# KiCad board Soldered Inkplate PLUS2.kicad_pcb (continued)
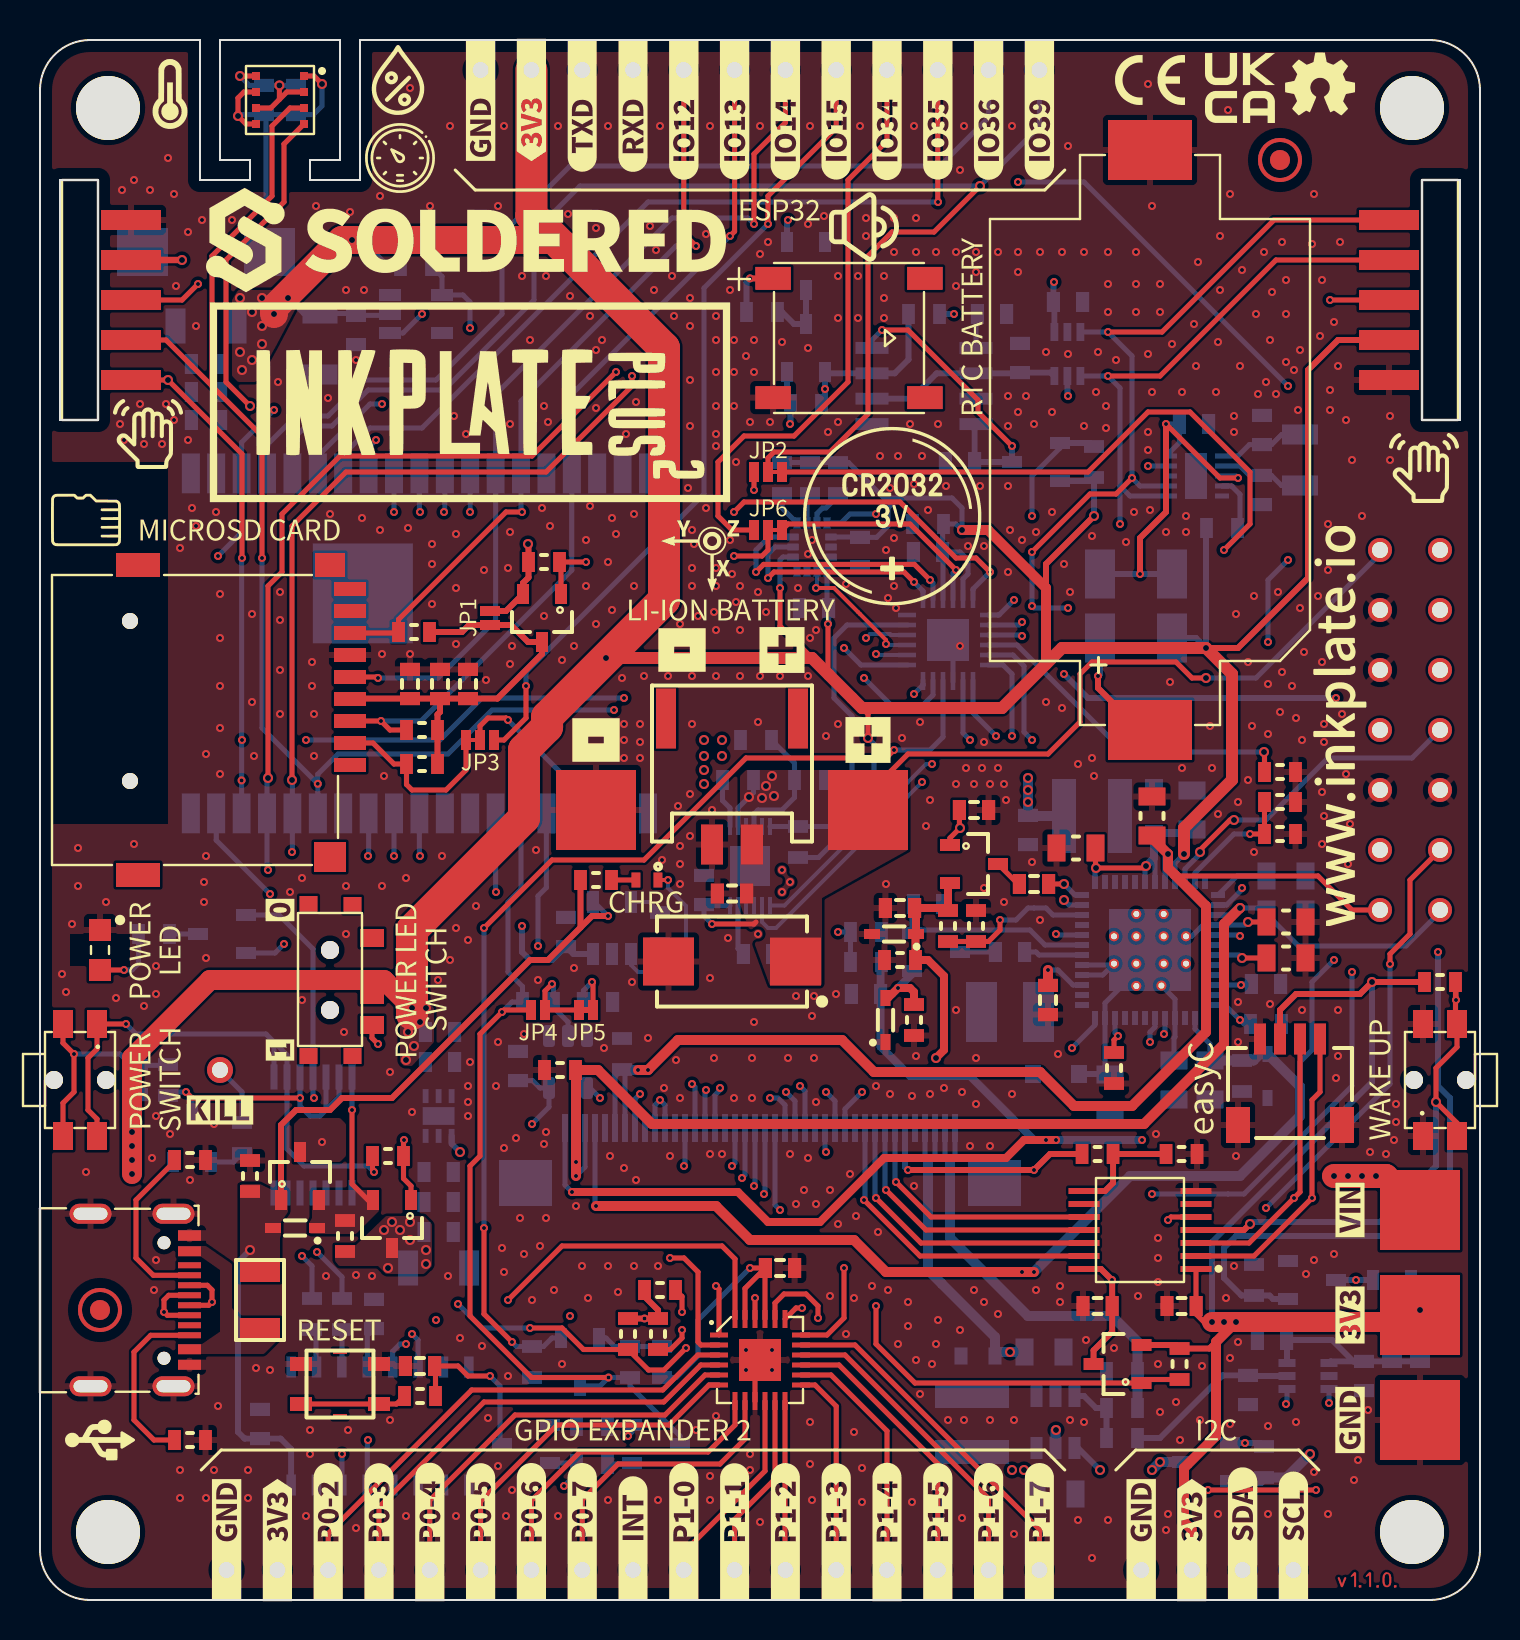
[diagram p0: board, top side]
## Footprints (pads in the part's own frame, mm; a bottom-side part is the same pattern mirrored in y, then rotated) (continued)
INKPLATE TEST HEADER
  round 1.2 hole 0.8: 1(-1.5,9) 2(-1.5,6) 3(-1.5,3) 4(-1.5,0) 5(-1.5,-3) 6(-1.5,-6) 7(-1.5,-9) 8(1.5,-9) 9(1.5,-6) 10(1.5,-3) 11(1.5,0) 12(1.5,3) 13(1.5,6) 14(1.5,9)
JST-2pin-SMD
  rect 1x3 smd: (-3.3,3.15) (3.3,3.15)
  rect 1.1x2 smd: 1(1,-3.15) 2(-1,-3.15)
K2-1114SA-A4SW-06
  round 0.9 hole 0.9 unplated: (0,1.3) (0,-1.3)
  rect 1.4x1 smd: 1(-2.8,0.85) 1(2.8,0.85) 2(-2.8,-0.85) 2(2.8,-0.85)
LSM6DSO32TR
  rect 0.575x0.35 smd: 1(-1.2,0.75) 2(-1.2,0.25) 3(-1.2,-0.25) 4(-1.2,-0.75) 8(1.2,-0.75) 9(1.2,-0.25) 10(1.2,0.25) 11(1.2,0.75)
  rect 0.35x0.575 smd: 5(-0.5,-0.95) 6(0,-0.95) 7(0.5,-0.95) 12(0.5,0.95) 13(0,0.95) 14(-0.5,0.95)
LTST-S270GKT
  rect 1.1x1.1 smd: 1(-1,0) 2(1,0)
M4_DIODA
  rect 2.45x1.5 smd: 1(-1.6,0) 2(1.6,0)
MCP47A1-SOT23-6
  rect 0.85x0.4 smd: 1(-1.05,0.65) 2(-1.05,0) 3(-1.05,-0.65) 4(1.05,-0.65) 5(1.05,0) 6(1.05,0.65)
MLT-7525
  rect 1.78x1.15 smd: 1(-3.795,2.98) 2(-3.795,-2.98) 3(3.795,2.98) 4(3.795,-2.98)
NR4012
  rect 1.2x3.7 smd: 1(-1.4,0) 2(1.4,0)
PAD_4x4
  rect 4x4 smd: 1(0,0)
PCAL6416AHF,128
  rect 0.9x0.24 smd: 1(-2.05,1.25) 2(-2.05,0.75) 3(-2.05,0.25) 4(-2.05,-0.25) 5(-2.05,-0.75) 6(-2.05,-1.25) 13(2.05,-1.25) 14(2.05,-0.75) 15(2.05,-0.25) 16(2.05,0.25) 17(2.05,0.75) 18(2.05,1.25)
  rect 0.24x0.9 smd: 7(-1.25,-2.05) 8(-0.75,-2.05) 9(-0.25,-2.05) 10(0.25,-2.05) 11(0.75,-2.05) 12(1.25,-2.05) 19(1.25,2.05) 20(0.75,2.05) 21(0.25,2.05) 22(-0.25,2.05) 23(-0.75,2.05) 24(-1.25,2.05)
  rect 2.1x2.1 smd: 25(0,0)
PCF85063A
  rect 1.1x2.3 smd: (0,0)
  rect 0.7x0.25 smd: 1(-1.3,1) 2(-1.3,0.5) 3(-1.3,0) 4(-1.3,-0.5) 5(-1.3,-1) 6(1.3,-1) 7(1.3,-0.5) 8(1.3,0) 9(1.3,0.5) 10(1.3,1)
SC70-6
  rect 0.9x0.4 smd: 1(-1.1,0.65) 2(-1.1,0) 3(-1.1,-0.65) 4(1.1,-0.65) 5(1.1,0) 6(1.1,0.65)
SK-3296S-01-L1
  rect 0.9x1.2 smd: 1(2.1,-2.1) 2(-0.75,-2.1) 3(-2.25,-2.1)
  round 0.9 hole 0.9: MH1(-1.5,0) MH2(1.5,0)
  rect 0.8x0.9 smd: MP1(-3.8,-1.125) MP2(3.75,-1.125) MP3(3.8,1.075) MP4(-3.8,1.075)
SMD-JUMPER-CONNECTED_TRACE_SOLDERMASK
  rect 0.5x1 smd: 1(-0.35,0) 2(0.35,0)
SMD_JUMPER
  rect 0.5x1 smd: 1(-0.35,0) 2(0.35,0)
SMD_JUMPER_3_PAD_CONNECTED_LEFT_TRACE
  rect 0.5x1 smd: 1(-0.7,0) 3(0.7,0)
  custom 0.5x1 smd: 2(0,0)
SMD_JUMPER_3_PAD_CONNECTED_RIGHT_TRACE
  rect 0.5x1 smd: 1(-0.7,0) 3(0.7,0)
  custom 0.5x1 smd: 2(0,0)
SN74LVC1G34DBV
  rrect 1.1x0.6 smd: 1(-1.3,0.95) 2(-1.3,0) 3(-1.3,-0.95) 4(1.3,-0.95) 5(1.3,0.95)
SOD-323
  rect 0.8x0.5 smd: 1(1.1,0) 2(-1.1,0)
SOD-323-2
  rect 0.8x0.9 smd: 1(-1.15,0) 2(1.15,0)
SOD-523
  rect 0.85x0.65 smd: 1(0,-0.85) 2(0,0.85)
SOIC−8
  rect 0.6x1.65 smd: 1(-1.905,-2.6) 2(-0.635,-2.6) 3(0.635,-2.6) 4(1.905,-2.6) 5(1.905,2.6) 6(0.635,2.6) 7(-0.635,2.6) 8(-1.905,2.6)
SOP-16
  rect 1.05x0.48 smd: 1(-2.95,4.445) 2(-2.95,3.175) 3(-2.95,1.905) 4(-2.95,0.635) 5(-2.95,-0.635) 6(-2.95,-1.905) 7(-2.95,-3.175) 8(-2.95,-4.445) 9(2.95,-4.445) 10(2.95,-3.175) 11(2.95,-1.905) 12(2.95,-0.635) 13(2.95,0.635) 14(2.95,1.905) 15(2.95,3.175) 16(2.95,4.445)
SOT26
  rect 0.6x1.1 smd: 1(-0.95,-1.3) 2(0,-1.3) 3(0.95,-1.3) 4(0.95,1.3) 5(0,1.3) 6(-0.95,1.3)
SOT-23-3
  rect 1x0.6 smd: 1(1.2,-0.95) 2(1.2,0.95) 3(-1.2,0)
SOT-23-5
  rect 1.1x0.6 smd: 1(1.3,-0.95) 2(1.3,0) 3(1.3,0.95) 4(-1.3,0.95) 5(-1.3,-0.95)
TPS7A2633DRVR
  rect 0.7x0.3 smd: 1(-0.995,0.65) 2(-0.995,0) 3(-0.995,-0.65) 4(0.995,-0.65) 5(0.995,0) 6(0.995,0.65)
  rect 0.89x1.6 smd: 5(0,0)
TSSOP-14
  rect 0.36x1.26 smd: 1(-2,-2.95) 2(-1.35,-2.95) 3(-0.7,-2.95) 4(-0.05,-2.95) 5(0.6,-2.95) 6(1.25,-2.95) 7(1.9,-2.95) 8(1.9,2.85) 9(1.25,2.85) 10(0.6,2.85) 11(-0.05,2.85) 12(-0.7,2.85) 13(-1.35,2.85) 14(-2,2.85)
TXS0104EPWR
  rect 1.55x0.3 smd: 1(-2.8,1.95) 2(-2.8,1.3) 3(-2.8,0.65) 4(-2.8,0) 5(-2.8,-0.65) 6(-2.8,-1.3) 7(-2.8,-1.95) 8(2.8,-1.95) 9(2.8,-1.3) 10(2.79,-0.65) 11(2.8,0) 12(2.8,0.65) 13(2.8,1.3) 14(2.8,1.95)
U262-161N-4BVC11
  round 0.65 hole 0.65 unplated: (-2.913,-3.2) (2.862,-3.2)
  rect 0.3x1.15 smd: A1(3.337,-4.475) A4(2.537,-4.475) A5(1.237,-4.475) A6(0.237,-4.475) A7(-0.263,-4.475) A8(-1.263,-4.475) A9(-2.563,-4.475) A12(-3.338,-4.475) B1(-3.138,-4.475) B4(-2.363,-4.475) B5(-1.763,-4.475) B6(-0.763,-4.475) B7(0.737,-4.475) B8(1.737,-4.475) B9(2.337,-4.475) B12(3.112,-4.475)
  oval 1x2.1 hole 0.6x1.7: SH(-4.313,0.475) SH(-4.313,-3.675) SH(4.312,0.475) SH(4.312,-3.675)
VQFN-49_V2
  rect 0.7x0.3 smd: 1(-3.4,2.75) 2(-3.4,2.25) 3(-3.4,1.75) 4(-3.4,1.25) 5(-3.4,0.75) 6(-3.4,0.25) 7(-3.4,-0.25) 8(-3.4,-0.75) 9(-3.4,-1.25) 10(-3.4,-1.75) 11(-3.4,-2.25) 12(-3.4,-2.75) 25(3.4,-2.75) 26(3.4,-2.25) 27(3.4,-1.75) 28(3.4,-1.25) 29(3.4,-0.75) 30(3.4,-0.25) 31(3.4,0.25) 32(3.4,0.75) 33(3.4,1.25) 34(3.4,1.75) 35(3.4,2.25) 36(3.4,2.75)
  rect 0.3x0.7 smd: 13(-2.75,-3.4) 14(-2.25,-3.4) 15(-1.75,-3.4) 16(-1.25,-3.4) 17(-0.75,-3.4) 18(-0.25,-3.4) 19(0.25,-3.4) 20(0.75,-3.4) 21(1.25,-3.4) 22(1.75,-3.4) 23(2.25,-3.4) 24(2.75,-3.4) 37(2.75,3.4) 38(2.25,3.4) 39(1.75,3.4) 40(1.25,3.4) 41(0.75,3.4) 42(0.25,3.4) 43(-0.25,3.4) 44(-0.75,3.4) 45(-1.25,3.4) 46(-1.75,3.4) 47(-2.25,3.4) 48(-2.75,3.4)
  round 0.5 hole 0.3: 49(-1.8,-0.685) 49(-1.8,0.685) 49(-0.685,-0.685) 49(-0.685,0.685) 49(-0.685,1.8) 49(-0.57,-1.78) 49(0.685,-1.8) 49(0.685,-0.685) 49(0.685,0.685) 49(0.685,1.8) 49(1.8,-0.685) 49(1.8,0.685)
  rect 4.1x4.1 smd: 49(0,0)
YTSA007A0151803B
  rect 0.7x0.25 smd: (0,1.625) (0,-1.625)
  rect 1.1x0.7 smd: 1(-1.95,1) 1(1.95,1) 2(-1.95,-1) 2(1.95,-1)

## Nets
3V3: C24.2 C25.2 C26.2 C27.2 C42.2 C53.2 C54.1 C55.2 C56.2 C57.2 C58.2 C59.2 C61.2 C63.2 C64.2 C65.2 D11.1 JP1.2 K4.3 K5.1 K13.1 K22.1 K42.4 K43.4 PAD4.1 Q8.2 Q9.2 Q11.2 Q13.2 R1.2 R2.2 R21.2 R26.1 R27.2 R39.1 R40.2 R41.2 R52.1 R54.1 R55.1 R56.1 R57.1 R58.1 R60.1 S1.2 U1.45 U3.1 U4.2 U10.1 U13.21 U13.23 U14.2 U15.18 U15.21 U15.23 U17.5 U17.8 U17.12 U19.2 U19.6 U19.8
3V3-EINK: C51.2 K1.4 K12.30 K12.31 U1.46 U11.5
3V3_BUZZER: C60.2 C66.2 Q13.3 Q14.2 R61.2 U16.1 U18.4 U18.8
3V3_MICROSD: C39.2 C40.2 C41.2 JP1.1 K10.4 Q8.3 R42.2 R43.2 R44.2
3V3_RTC: C38.2 D11.2 D12.2 U8.3 U8.10
3V3_TOUCH: C49.1 K12.6 Q11.3 R46.2 U10.14
/POWER/VDDH_D: C19.2 D7.1 U1.35
/POWER/VDDH_DRV: C17.1 U1.36
/POWER/VDDH_FB: R15.1 R16.2 U1.34
/POWER/VEE_D: C18.2 D6.2 U1.31
/POWER/VEE_DRV: C16.2 U1.30
/POWER/VEE_FB: R13.1 R14.2 U1.32
GND: C1.1 C2.1 C3.1 C4.1 C5.1 C6.1 C7.1 C8.1 C9.1 C10.1 C11.1 C12.1 C13.1 C14.1 C15.1 C18.1 C19.1 C20.1 C21.1 C22.1 C23.1 C24.1 C25.1 C26.1 C27.1 C28.2 C29.1 C30.2 C31.1 C32.1 C33.1 C34.1 C35.1 C36.1 C37.1 C38.1 C39.1 C40.1 C41.1 C42.1 C43.2 C44.2 C45.2 C46.1 C47.1 C48.1 C49.2 C50.1 C51.1 C52.1 C53.1 C54.2 C55.1 C56.1 C57.1 C58.1 C59.1 C60.1 C61.1 C62.1 C63.1 C64.1 C65.1 C66.1 C67.1 C68.1 D3.1 D4.2 D5.2 D9.2 K1.3 K1.9 K1.10 K1.12 K2.A1 K2.A12 K2.B1 K2.B12 K2.SH K3.2 K4.4 K4.5 K8.1 K10.6 K11.- K12.5 K12.11 K12.15 K12.24 K12.29 K12.32 K12.36 K12.41 K14.1 K23.1 K42.5 K43.5 L1.1 PAD2.1 PAD5.1 Q5.2 Q10.2 Q15.2 R3.2 R4.2 R5.2 R6.2 R7.2 R8.1 R9.1 R10.1 R11.1 R12.1 R14.1 R16.1 R17.2 R18.2 R20.1 R23.2 R28.2 R38.1 R47.2 R48.1 R51.1 SW1.1 SW3.1 U1.6 U1.8 U1.33 U1.41 U1.48 U2.2 U3.5 U4.3 U5.3 U6.1 U7.1 U7.2 U7.5 U7.6 U7.7 U8.5 U9.2 U10.7 U11.3 U12.2 U13.9 U13.18 U13.25 U14.1 U14.15 U14.38 U14.39 U15.9 U15.25 U16.2 U17.6 U17.7 U18.1 U19.1 U19.5 U19.7 U20.2
VBAT: C29.2 C30.1 C31.2 K1.8 K3.1 PAD1.1 R24.2 U5.6 U5.8
VDDH: C15.2 D3.2 D7.2 K1.2 K12.33 R8.2 R15.2
VEE: C14.2 D5.1 D6.1 K1.13 K12.40 R10.2 R13.2
VIN: C6.2 C9.2 C10.2 C20.2 C21.2 C22.2 C23.2 K1.7 L2.1 PAD3.1 Q6.3 Q12.2 R53.2 R63.1 U1.10 U1.27 U3.4 U3.6
VIN_BCK: C52.2 L3.2 Q12.3 U12.4 U12.6
/CTRL & COMS/BIN: R25.2 R28.1 U5.10
/CTRL & COMS/CH_RXD: R34.1 U6.3
/CTRL & COMS/CH_TXD: R35.1 U6.2
/CTRL & COMS/DTR: Q3.2 R29.2 U6.13
/CTRL & COMS/RTS: Q2.2 R30.2 U6.14
/E-paper/DAC_OUT: C48.2 R50.2 U9.5
/MCU & GPIO Expanders/GPIO34: JP6.2 U14.6
/MCU & GPIO Expanders/INTB: JP6.1 R54.2 U13.22
/POWER/INT_LDO: C4.2 U1.7
/POWER/TS: R11.2 R12.2 U1.47
/POWER/VB: C11.2 C12.2 D2.1 U1.37 U1.42 U1.43
/POWER/VB_SW: D2.2 L2.2 U1.40
/POWER/VN: C3.2 C5.2 C8.2 D1.2 U1.4 U1.16 U1.23 U1.28 U1.29 U1.49
/POWER/VN_SW: D1.1 L1.2 U1.25
/POWER/VREF: C1.2 U1.1
/SD & RTC/X1: C36.2 U8.1 X1.1
/SD & RTC/X2: C37.2 U8.2 X1.2
BACKLIGHT_EN: Q10.1 R51.2 U13.12
BCK_ANODE: C50.2 D13.2 K12.3 K12.4 U12.5
BCK_CATHODE: K12.1 K12.2 R48.2 R49.1
BCK_MOS: Q9.1 Q10.3 Q12.1 R53.1
BUZZER_EN: Q13.1 R60.2 U13.14
CLKOUT_RTC: JP2.1 U8.9
D+: K2.A6 K2.B6 U6.5
D-: K2.A7 K2.B7 U6.6
EPD_CKV: K12.13 U14.8
EPD_CL: K12.28 U11.4
EPD_D0: K12.23 U14.26
EPD_D1: K12.22 U14.29
EPD_D2: K12.21 U14.30
EPD_D3: K12.20 U14.31
EPD_D4: K12.19 U14.37
EPD_D5: K12.18 U14.10
EPD_D6: K12.17 U14.11
EPD_D7: K12.16 U14.12
EPD_GMODE: K12.14 U13.2
EPD_LE: K12.27 U14.24
EPD_OE: K12.26 U13.1
EPD_SPH: K12.25 U14.9
EPD_SPV: K12.12 U13.3
GPIO15: JP3.3 K32.1
GPIO_0: JP4.1 Q1.3 Q3.3 R22.1 R45.1 U14.25
GPIO_0_MOSFET: Q1.1 R20.2 U13.10
GPIO_36: K25.1 R41.1 SW3.2 U10.4 U14.4
GPIO_39: JP2.2 K24.1 U14.5
GPOUT_FG: R26.2 U5.12 U13.17
I2C_SCL: K1.6 K4.1 K6.1 K42.1 K43.1 R1.1 U1.17 U5.2 U8.7 U9.3 U10.2 U13.19 U14.36 U15.19 U16.3 U17.13 U19.4
I2C_SCL_B: K12.10 U10.13
I2C_SDA: K1.5 K4.2 K7.1 K42.2 K43.2 R2.1 U1.18 U5.1 U8.6 U9.4 U10.3 U13.20 U14.33 U15.20 U16.4 U17.14 U19.3
I2C_SDA_B: K12.9 U10.12
INT: U1.2 U13.7
INT1_LSM: U13.16 U17.4
INT2_LSM: U13.15 U17.9
INT_APDS: K42.3 K43.3 U13.11
MANUAL_RST: C34.2 Q2.3 R27.1 R32.2 U4.4
OUT: Q14.1 Q15.1 R59.2 R61.1 U18.3
POT_A: C62.2 U16.6 U18.2 U18.6
POT_W: R59.1 U16.5
PWR_GOOD: U1.24 U13.8
PWRUP: R5.1 U1.22 U13.5
RST: U4.1 U13.24 U14.3 U15.24
RXD: K18.1 R35.2 U14.34
SD_ENABLE: Q8.1 R39.2 U13.13
SPI_CS: JP3.2 U14.23
SPI_MISO: K10.7 K20.1 R44.1 U14.14
SPI_MOSI: K10.3 K21.1 R43.1 U14.16
SPI_SCK: K10.5 K19.1 U14.13
SW_IN: D10.2 Q6.2 Q7.2 R63.2 U7.14
SW_OUT_D: Q4.1 Q6.1 R36.2 U7.11
TOUCH_EN: Q11.1 R52.2 U15.1
TOUCH_INT_B: K12.8 U10.11
TOUCH_RESET: U10.5 U15.2
TOUCH_RESET_B: K12.7 U10.10
TXD: K16.1 R34.2 U14.35
VCOM: C7.2 D4.1 K1.11 K12.37 R9.2 U1.14
VCOM_CTRL: R4.1 U1.12 U13.6
VNEG: C2.2 K1.1 K12.38 K12.39 R6.1 U1.3
VPOS: C13.2 K1.14 K12.34 K12.35 R7.1 U1.44
VSYS: C67.2 Q7.3 R24.1 R25.1 U2.3 U5.7
VUSB: C32.2 D10.1 F1.1 Q7.1 R19.1 R38.2 U2.4 U6.16
WAKEUP: R3.1 U1.5 U13.4
Net-(C16-Pad1): C16.1 D6.3
Net-(C17-Pad2): C17.2 D7.3
Net-(C28-Pad1): C28.1 U5.5
Net-(C33-Pad2): C33.2 U6.4
Net-(C35-Pad2): C35.2 R37.1 SW2.2
Net-(C43-Pad1): C43.1 C44.1 C45.1 C47.2 Q9.3 U9.1 U9.6
Net-(C46-Pad2): C46.2 JP5.2
Net-(D8-Pad1): D8.1 R19.2
Net-(D8-Pad2): D8.2 U2.1
Net-(D9-Pad1): D9.1 R31.2
Net-(D12-Pad1): D12.1 K11.+
Net-(D13-Pad1): D13.1 L3.1 U12.1
Net-(F1-Pad2): F1.2 K2.A4 K2.A9 K2.B4 K2.B9
Net-(JP2-Pad3): JP2.3 R40.1 U8.4
Net-(JP3-Pad1): JP3.1 K10.2 R42.1
Net-(JP4-Pad2): JP4.2 JP5.1 R45.2 U11.2
Net-(JP6-Pad3): JP6.3 K17.1
Net-(K2-PadA5): K2.A5 R18.1
Net-(K2-PadB5): K2.B5 R17.1
Net-(K9-Pad1): K9.1 R33.2
Net-(K15-Pad1): K15.1 U14.7
Net-(K26-Pad1): K26.1 U15.3
Net-(K27-Pad1): K27.1 U15.4
Net-(K28-Pad1): K28.1 U15.5
Net-(K29-Pad1): K29.1 U15.6
Net-(K30-Pad1): K30.1 U15.7
Net-(K31-Pad1): K31.1 U15.8
Net-(K33-Pad1): K33.1 U15.10
Net-(K34-Pad1): K34.1 U15.11
Net-(K35-Pad1): K35.1 U15.12
Net-(K36-Pad1): K36.1 U15.13
Net-(K37-Pad1): K37.1 U15.14
Net-(K38-Pad1): K38.1 U15.15
Net-(K39-Pad1): K39.1 U15.16
Net-(K40-Pad1): K40.1 U15.17
Net-(K41-Pad1): K41.1 R55.2 U15.22
Net-(Q1-Pad2): Q1.2 R21.1 R22.2
Net-(Q2-Pad1): Q2.1 R29.1
Net-(Q3-Pad1): Q3.1 R30.1
Net-(Q4-Pad2): Q4.2 S1.3
Net-(Q4-Pad3): Q4.3 R31.1
Net-(Q5-Pad1): Q5.1 R33.1
Net-(Q5-Pad3): Q5.3 R37.2 U7.10 U7.12 U7.13
Net-(Q14-Pad3): Q14.3 Q15.3 R62.1
Net-(R23-Pad1): R23.1 U2.5
Net-(R32-Pad1): R32.1 SW1.2
Net-(R36-Pad1): R36.1 SW2.1 U7.8 U7.9
Net-(R46-Pad1): R46.1 R47.1 U10.8
Net-(R49-Pad2): R49.2 R50.1 U12.3
Net-(R56-Pad2): R56.2 U17.1
Net-(R57-Pad2): R57.2 U17.2
Net-(R58-Pad2): R58.2 U17.3
Net-(R62-Pad2): R62.2 U20.1
Net-(U18-Pad5): C68.2 U18.5

Pads without a net: FD1 1; FD2 1; FD3 1; FD4 1; K2 A8 B8; K10 1 8 12 CD MNT; S1 1 MH1 MH2 MP1 MP2 MP3 MP4; U1 9 11 13 15 19 20 21 26 38 39; U3 2 3; U4 5; U5 4 9 11; U6 7 8 9 10 11 12 15; U7 3 4; U8 8; U10 6 9; U11 1; U14 17 18 19 20 21 22 27 28 32; U17 10 11; U18 7; U20 3 4

## Via types
v1: diameter 0.4, hole 0.2, Top to Bottom, 854 vias
v2: diameter 0.5, hole 0.3, Top to Bottom, 95 vias

## Routing (per net, layer and track width the routed paths; a pad name or vN(x,y) marks a point on that pad's centre or on a via; arc(x,y) is an arc through that point)
3V3: length 447
  Top w0.254: 36.47,16.37 36.47,16.6 36.25,16.38 U15.21 ; v2(58.6,13.9) 58.2,13.9 57.81,14.29 C42.2 57.8,14.71 U10.1 ; 38.6,47.1 37,48.7 v1(37,50.6) ; U15.23 35.25,15.58 C59.2 v1(35.5,16.6) ; 11.97,75.03 11.54,74.6 U19.6 ; 11.97,75.03 v2(11.97,75.73) ; 11.97,75.03 12.34,75.4 U19.2 ; U19.8 v2(10,76.2) ; v1(39.4,48.8) 39.4,46.3 39.45,46.25 ; U15.18 39.35,13.25 40.2,14.1 v1(40.2,16.6) ; v2(41.4,43.1) 41.4,44.3 40.6,45.1
  Top w0.3: R41.2 v2(66.6,30.9) 66,30.3 62.8,30.3 62,29.5 K4.3 ; JP1.2 23.3,49.45 Q8.2 24.15,50.85 24.43,51.12 R39.1 24.43,52.78 v2(24.4,52.8) ; R2.2 R1.2 30.9,14.5 30.22,15.17 R55.1 ; 58.8,12.9 58.47,12.58 R52.1 56.8,12.75 Q11.2 ; 50.3,50.6 50.3,51.8 v2(52.7,54.2) ; K43.4 64.9,63 63.4,61.5 63.4,51.1 59.9,47.6 v2(58.3,47.6) ; 11.12,63.72 v2(11.1,63.7)
  Top w0.32: K42.4 v2(7.1,67)
  Top w0.5: K5.1 57.59,3.51 57.2,3.9 57.2,6.6 58.8,8.2 58.8,12.9 v2(59.8,13.9) ; v2(46.1,53.5) 47.4,53.5 50.3,50.6 50.3,46.8
  Top w0.6: v2(57.2,37.3) 57.2,38.6 59.6,41 59.6,46.3 v2(58.3,47.6) 51.1,47.6 48.1,44.6 41.1,44.6 38.6,47.1 v2(28.3,47.1)
  Top w1: v2(4.6,21.3) 4.6,27.1 8.5,31 17.2,31 v2(18.6,29.6) ; v2(58.6,13.9) 68.65,13.9 PAD4.1
  Top w1.4: v2(11.7,64.3) 11.7,64.6 15.1,68 v2(15.6,68) 25.8,68 26.1,67.7
  Top w1.6: K13.1 24.57,69.23 31.2,62.6 31.2,50 25.35,44.15 25.35,43.65 24.2,42.5 24.2,39.1 18.6,33.5 18.6,29.3
  In1.Cu w0.254: v2(15.6,68) 14.5,68 11.97,70.53 v2(11.97,75.73)
  In1.Cu w0.3: v2(7.1,67) 7.8,67.7 15.3,67.7 v2(15.6,68) ; v2(24.4,52.8) 24.4,51 v2(28.3,47.1)
  In1.Cu w1: v2(4.6,23.4) 4.6,13.8 5.1,13.3 7.3,13.3 10.5,10.1 ; K22.1 11.87,8.73 10.5,10.1 ; 10.5,10.1 26.1,10.1 32.6,16.6 v1(35.5,16.6) 47.1,16.6 49.8,13.9 v2(59.8,13.9)
  Bottom w0.254: U13.21 45.15,52.28 45.03,52.4 46,52.4 46.4,52 46.4,51.3 46.15,51.05 U13.23 ; 42.9,55.1 42.2,55.1 40.43,56.88 R58.1 R56.1 ; 42.9,55.1 42.4,54.6 42.4,53.7 41.83,53.13 C61.2 40.98,53.15 U17.5 ; 42.9,55.1 45.6,55.1 46.1,54.6 v2(46.1,53.5) 45.8,53.8 R54.1 45.13,53.75 C53.2 ; v1(39.4,48.8) 39.43,48.83 C63.2 39.35,49.68 U17.8 ; v2(41.4,43.1) 41.7,42.8 41.7,39.9 38.93,37.12 R26.1 ; U17.12 37.15,52.15 37,52 v1(37,50.6) ; v1(35.5,16.6) 32.9,14 32.9,12.2 31.82,11.12 R21.2 ; v2(10,76.2) 10.47,75.73 C64.2 C65.2 ; v2(57.2,37.3) 56.75,36.85 U1.45 ; v2(15.6,68) 16.1,68 17.4,66.7 R27.2 ; v2(12.4,65.1) 13.17,64.33 C25.2 15.7,64.33 C27.2 17.43,64.23 U4.2
  Bottom w0.3: v2(52.7,54.2) R60.1 52.53,55.95 Q13.2 ; Q9.2 68.55,14.95 v2(69,14.5) ; v2(66.6,30.9) 66.6,25.9 58.6,17.9 v2(58.6,13.9) ; 57.7,48.1 D11.1 57.8,48.1 v2(58.3,47.6) 58.3,53.58 R40.2
  vias: v1(30.22,14.08) v2(4.6,22.7) v2(4.6,22) v2(10,65.1) v2(10,62.4) v2(10.1,61.5) v2(10.6,64.4) v2(10.6,62) v2(11.1,65.1) v2(11.1,62.8) v2(18.3,27) v2(18.4,28.4) v2(18.7,27.7) v2(19,28.9) v2(19.3,29.6) v2(59.2,13.9)
3V3-EINK: length 81.9
  Top w0.254: v2(59.7,39) 59.5,39 58,37.5 v2(58,37.4)
  In1.Cu w0.254: 38.1,21.4 35.8,19.1 26.3,19.1 24.6,20.8 v1(24.6,23.8)
  In1.Cu w0.5: v2(58,37.4) 58.4,37 58.4,30.6 56.9,29.1 55.3,29.1 54.7,28.5 54.7,27.1 53.7,26.1 50.4,26.1 48.5,24.2 42.5,24.2 39.7,21.4 37.4,21.4 35.7,23.1 32.9,23.1 v1(31,25)
  Bottom w0.254: U1.46 57.25,36.55 58,37.3 v2(58,37.4) ; K12.30 31.25,24.75 v1(31,25) 30.75,24.75 K12.31 ; v1(24.6,23.8) 25.45,24.65 U11.5 25,25.6 24.63,25.97 C51.2 ; v2(59.7,39) 61.3,39 64.4,42.1 68.6,42.1 K1.4
3V3_BUZZER: length 42.8
  Top w0.254: v1(48.6,57.7) 46.9,59.4 46.9,60 43.4,63.5 v1(42.1,63.5)
  In1.Cu w0.3: v1(37.5,58.8) 38.6,57.7 v1(48.6,57.7) 50,57.7 52.1,59.8 52.1,64.5 v1(50.7,65.9)
  Bottom w0.254: U18.4 41.6,63 v1(42.1,63.5)
  Bottom w0.3: Q14.2 37.35,59.97 R61.2 37.53,58.83 v1(37.5,58.8) ; U18.8 46.73,58.72 C66.2 Q13.3 v1(48.6,57.7) ; U16.1 50.72,64.85 C60.2 50.67,65.87 v1(50.7,65.9)
3V3_MICROSD: length 20.6
  Top w0.3: R44.2 21.1,48.4 21.45,48.75 JP1.1 23.55,48.75 24.4,47.9 Q8.3 25.1,47.3 22.87,45.07 C39.2 C40.2 ; K10.4 15.52,45.07 C41.2 C40.2 ; C40.2 20,44.4 19.88,44.28 R43.2 R42.2
3V3_RTC: length 19.7
  Top w0.254: v1(59.9,56.1) 59,56.1 v1(56.3,58.8)
  Top w0.3: v1(56.3,58.8) 56.3,54.4 55,53.1 v1(55,51.3)
  Bottom w0.254: U8.10 56.5,57.4 56.97,57.87 C38.2 v1(56.3,58.8) ; U8.3 59.8,56.2 v1(59.9,56.1)
  Bottom w0.3: D12.2 D11.2
3V3_TOUCH: length 24.5
  Top w0.3: v1(43.4,21.5) v1(49.7,21.5) 50.5,22.3 R46.2 ; U10.14 53.05,16.55 53.61,15.99 C49.1 53.61,13.41 52.68,12.48 Q11.3
  In2.Cu w0.3: v1(53.6,16) 53.6,17.6 v1(49.7,21.5)
  Bottom w0.3: K12.6 43.25,21.65 v1(43.4,21.5)
/POWER/VDDH_D: length 10
  Top w0.254: C19.2 45.97,38.63 v2(46,38.6) 45.5,38.1 D7.1
  In1.Cu w0.254: v2(51.2,35) 49,35 46,38 v2(46,38.6)
  Bottom w0.254: U1.35 51.45,34.75 v2(51.2,35)
/POWER/VDDH_DRV: length 1.9
  Top w0.254: C17.1 v2(51.2,35.8)
  Bottom w0.254: U1.36 51.75,35.25 v2(51.2,35.8)
/POWER/VDDH_FB: length 7.8
  Top w0.254: R15.1 R16.2 47.43,32.92 48,33.5 v1(48,34)
  Bottom w0.254: U1.34 50.65,34.25 50.3,34.6 49.4,34.6 48.8,34 v1(48,34)
/POWER/VEE_D: length 10.4
  Bottom w0.254: U1.31 50.25,32.75 49.5,33.5 43.75,33.5 D6.2 43.6,34.73 C18.2
/POWER/VEE_DRV: length 2.9
  Bottom w0.254: U1.30 49.95,32.25 49.8,32.4 C16.2
/POWER/VEE_FB: length 14.4
  In2.Cu w0.254: v1(39.9,33.4) 40,33.3 v1(50.8,33.3)
  Bottom w0.254: U1.32 50.85,33.25 v1(50.8,33.3) ; v1(39.9,33.4) R14.2 R13.1
GND: length 18.8
  Top w0.254: v2(14.1,75.8) 13.7,76.2 U19.1 ; U15.9 35.75,11.75 U15.25 ; U19.7 10.2,75.4 9.9,75.1 v2(9.9,74.2) 10.3,73.8 U19.5
  Bottom w0.254: 11.3,69.5 11.3,74.17 C64.1 ; v2(9.9,74.2) 9.97,74.27 C64.1 ; C64.1 C65.1 13.67,74.27 14.1,74.7 v2(14.1,75.8) ; U13.25 45.65,47.75 U13.9 ; 5.2,67.4 C54.2
  vias: v1(1.1,31.3) v1(1.3,30.4) v1(1.6,33.8) v1(1.9,37.6) v1(1.9,35.7) v1(2.3,21.4) v1(3.3,34.9) v1(3.8,30.1) v1(4,58.8) v1(4.1,70.5) v1(4.2,58) v1(4.7,71) v1(4.7,37.8) v1(5,59.8) v1(5.2,57.8) v1(5.2,29.7) v1(5.5,70.5) v1(5.6,22.1) v1(5.7,15.5) v1(5.8,31.7) v1(5.8,30.3) v1(5.8,24.2) v1(5.8,17) v1(6.1,57.8) v1(6.3,59.8) v1(6.4,72.1) v1(6.5,23.3) v1(6.7,70.3) v1(6.7,59) v1(6.8,65.7) v1(7,52.6) v1(7,6.5) v1(7,5.1) v1(7.4,68.4) v1(7.4,58) v1(7.5,21) v1(7.6,54.6) v1(7.8,63.7) v1(7.8,53.7) v1(8.1,69) v1(8.2,35.9) v1(8.2,34.9) v1(8.3,42.3) v1(8.3,37.2) v1(8.3,32.1) v1(8.3,5.1) v1(8.7,23.8) v1(8.7,6.5) v1(8.8,54.4) v1(8.9,9.7) v1(9,50.3) v1(9,48.1) v1(9,45.7) v1(9,43.6) v1(9,41.3) v1(9.6,69) v1(10.4,6.5) v1(10.4,5.1) v1(10.6,49.3) v1(10.6,44.9) v1(10.7,42.2) v1(10.8,11.6) v1(11.5,11.5) v1(11.9,60.9) v1(12,50.4) v1(12,49) v1(12,46.5) v1(12,44.3) v1(12.5,35.4) v1(13.1,36.1) v1(13.1,30) v1(13.3,4.2) v1(13.5,8.5) v1(13.5,7.3) v1(13.6,46.9) v1(13.6,45.7) v1(13.7,44.3) v1(13.7,42.2) v1(13.8,69.7) v1(14.3,16.2) v1(14.4,60.1) v1(14.5,54.3) v1(15.2,28.4) v1(15.3,65.5) v1(15.3,35.7) v1(15.3,33.3) v1(15.4,8.5) v1(15.5,69.4) v1(15.8,62) v1(15.8,16.25) v1(15.8,3.6) v1(16.1,54.1) v1(16.2,65.5) v1(16.6,16.2) v1(17,70.2) v1(17,53.5) v1(17.1,47.3) v1(17.1,35.7) v1(17.2,41.2) v1(17.5,26.4) v1(17.5,9) v1(18.3,36.1) v1(18.3,4.2) v1(18.4,53.6) v1(18.5,75.6) v1(18.5,47.3) v1(18.6,24.4) v1(19.5,69.7) v1(19.6,52.8) v1(19.6,51.8) v1(19.6,49.8) v1(19.9,31) v1(20.1,37.2) v1(20.4,16.2) v1(20.5,73.7) v1(20.5,32) v1(20.7,59.2) v1(20.8,53.3) v1(20.8,50.6) v1(20.8,47.8) v1(20.8,33.6) v1(20.8,4.2) v1(21,13.1) v1(21.3,58.3) v1(21.4,33) v1(21.4,25.7) v1(21.4,24.9) v1(21.4,24.2) v1(21.5,26.9) v1(21.8,34.7) v1(22.1,12.7) v1(22.2,51.5) v1(22.3,46) v1(22.4,9.1) v1(22.8,25.7) v1(22.9,69.7) v1(22.9,27.9) v1(22.9,6.7) v1(23.1,17.6) v1(23.2,73.7) v1(23.2,22.6) v1(23.2,16.4) v1(23.3,4.2) v1(23.4,51.6) v1(23.4,11.2) v1(23.5,58.8) v1(23.5,53.4) v1(23.5,46.8) v1(23.6,47.7) v1(23.6,5.5) v1(23.8,23.1) v1(24,19.1) v1(24.1,66.2) v1(24.2,28.3) v1(24.2,17.3) v1(24.5,63) v1(24.6,15) v1(24.8,37.5) v1(24.9,31) v1(25,17.7) v1(25.1,54.6) v1(25.2,59.7) v1(25.2,49.2) v1(25.2,22.8) v1(25.3,66.2) v1(25.3,23.4) v1(25.3,19.1) v1(25.4,58.9) v1(25.5,53.7) v1(25.7,15.5) v1(25.9,73.7) v1(25.9,4.2) v1(26.1,47) v1(26.1,11.8) v1(26.4,69.3) v1(26.5,65.2) v1(26.7,47.7) v1(26.7,31.6) v1(26.8,19.7) v1(27.1,16.7) v1(27.3,53) v1(27.3,50.7) v1(27.4,15.1) v1(27.5,64.2) v1(27.5,54.7) v1(27.8,68.6) v1(27.8,62.5) v1(27.8,59.6) v1(27.8,48.8) v1(28.1,63) v1(28.2,27.6) v1(28.4,73.7) v1(28.4,51.9) v1(28.4,16.7) v1(28.4,5) v1(28.5,22.2) v1(28.6,54.1) v1(28.6,49.5) v1(28.8,53.3) v1(28.9,15.4) v1(29.1,46.1) v1(29.2,43.8) v1(29.2,43) v1(29.2,42.1) v1(29.2,21.6) v1(29.3,58.3) v1(29.6,30.9) v1(29.7,54.3) v1(29.7,50.7) v1(29.7,16.7) v1(29.8,59.9) v1(29.8,21) v1(30,43.8) v1(30,42.9) v1(30,42.1) v1(30.2,46.2) v1(30.4,28.1) v1(30.5,68.7) v1(30.7,65.5) v1(30.8,67.5) v1(30.9,16.7) v1(30.9,5) v1(31,73.7) v1(31.1,37) v1(31.2,25.6) v1(31.4,46.2) v1(31.5,22.2) v1(31.6,66.2) v1(31.7,64.2) v1(31.8,27) v1(31.9,39.7) v1(32,48.8) v1(32,37.7) v1(32,36.8) v1(32,35.8) v1(32,25.1) v1(32.4,55.6) v1(32.5,65.1) v1(32.5,63.7) v1(32.5,61) v1(32.5,58.7) v1(32.5,40.3) v1(32.5,38.2) v1(32.6,53.5) v1(32.6,51.6) v1(32.6,50.7) v1(32.6,46.2) v1(32.6,43.8) v1(32.7,52.8) v1(32.8,8.5) v1(32.9,49.2) v1(33.3,68.3) v1(33.3,54.6) v1(33.5,73.7) v1(33.5,31.1) v1(33.5,22.3) v1(33.5,6.2) v1(33.5,5) v1(33.6,39.5) v1(33.7,49.4) v1(33.7,27.1) v1(33.8,64.2) v1(33.8,63) v1(33.8,61.4) v1(33.8,59.7) v1(33.8,58.3) v1(33.8,57.7) v1(33.8,51.6) v1(33.8,50.7) v1(33.8,48.5) v1(33.8,46.2) v1(33.8,9.2) v1(34.1,22.3) v1(34.4,33.1) v1(34.5,65.5) v1(34.5,53) v1(34.6,51.3) v1(34.7,63) v1(34.7,61.4) v1(34.7,59.7) v1(34.7,25.1) v1(34.8,56.9) v1(34.8,49.9) v1(35,50.7) v1(35,48.5) v1(35,46.2) v1(35.3,62.2) v1(35.3,12.5) v1(35.3,11.5) v1(35.5,58.9) v1(35.5,7.3) v1(35.5,6.5) v1(35.6,27.1) v1(35.6,25.1) v1(35.7,63) v1(35.7,61.4) v1(35.7,28.9) v1(35.9,50.4) v1(35.9,43.9) v1(35.9,33.3) v1(36,73.7) v1(36,67.3) v1(36,46.2) v1(36,3.9) v1(36.3,49.4) v1(36.4,67.9) v1(36.5,58.9) v1(36.6,12.5) v1(36.6,11.5) v1(37,46.2) v1(37.1,62.9) v1(37.1,36.5) v1(37.1,35.4) v1(37.4,27.1) v1(37.5,35.9) v1(37.5,22.3) v1(37.8,30.2) v1(37.8,19.8) v1(37.9,50.6) v1(38.2,20.5) v1(38.4,68.8) v1(38.4,62.6) v1(38.4,52.3) v1(38.4,46.2) v1(38.4,22.1) v1(38.5,73.7) v1(38.5,48.1) v1(38.5,8.9) v1(38.5,6.8) v1(38.6,53) v1(38.6,29.2) v1(38.6,5) v1(38.7,30.2) v1(38.7,27.1) v1(38.8,48.5) v1(38.8,24.9) v1(38.8,19.8) v1(39.2,69.2) v1(39.3,43.2) v1(39.4,58.4) v1(39.5,20.5) v1(39.5,15.2) v1(39.8,30.3) v1(39.9,66.2) v1(39.9,64.1) v1(39.9,58.9) v1(39.9,43.8) v1(39.9,18.8) v1(40.3,50.8) v1(40.3,13.3) v1(40.5,21.3) v1(40.7,15.1) v1(40.7,8.4) v1(40.8,19.2) v1(40.9,66.2) v1(40.9,64.1) v1(41,73.7) v1(41.1,6.6) v1(41.1,4.9) v1(41.3,69.1) v1(41.3,68.2) v1(41.6,15.7) v1(41.8,25.7) v1(41.9,18.4) v1(42,57.2) v1(42.2,66.2) v1(42.2,65.1) v1(42.2,64.1) v1(42.3,52.5) v1(42.3,35.8) v1(42.4,50.1) v1(42.4,15.5) v1(42.5,55.6) v1(42.5,25.3) v1(42.7,69.1) v1(42.7,67.4) v1(42.7,53.1) v1(42.7,50.7) v1(42.8,49.6) v1(42.9,57.2) v1(42.9,12.8) v1(43.1,43.1) v1(43.4,14.9) v1(43.4,13.7) v1(43.5,58.8) v1(43.6,25.2) v1(43.6,4.9) v1(43.7,73.7) v1(43.7,55.8) v1(43.7,20.7) v1(43.8,69.1) v1(43.8,67.4) v1(43.8,27.2) v1(43.8,12) v1(44,43.9) v1(44,10.3) v1(44.1,57.2) v1(44.3,38.7) v1(44.4,54.5) v1(44.5,40) v1(44.5,25.3) v1(44.6,11.8) v1(44.8,67.4) v1(44.8,12.8) v1(44.9,58.8) v1(44.9,14) v1(45.2,25.6) v1(45.3,55.7) v1(45.4,9) v1(45.8,67.4) v1(45.8,65.7) v1(45.8,40.8) v1(45.8,29.5) v1(46,71.5) v1(46,47.7) v1(46,13.5) v1(46.1,25.4) v1(46.1,4.1) v1(46.2,73.7) v1(46.2,9) v1(46.3,41.6) v1(46.4,52.7) v1(46.5,22.7) v1(46.7,40.8) v1(46.7,15.5) v1(46.8,67.4) v1(46.8,66.4) v1(46.8,27.1) v1(46.8,24.8) v1(47,55.7) v1(47.1,41.6) v1(47.2,52.7) v1(47.2,42.9) v1(47.2,35.6) v1(47.2,14.9) v1(47.5,40.8) v1(47.5,22.7) v1(47.5,9) v1(47.9,67.4) v1(47.9,41.6) v1(47.9,14.3) v1(48.2,40.8) v1(48.2,34.9) v1(48.3,40) v1(48.4,60.2) v1(48.4,58.7) v1(48.4,55.7) v1(48.4,51.4) v1(48.5,53.5) v1(48.6,73.7) v1(48.6,25.3) v1(48.7,9) v1(48.7,3.3) v1(48.9,67.4) v1(48.9,66.4) v1(48.9,59.4) v1(49.1,53) v1(49.3,60.2) v1(49.6,36.9) v1(49.7,58.8) v1(49.8,53.4) v1(49.8,15.5) v1(50,67.4) v1(50,34) v1(50.3,62.4) v1(50.3,44.9) v1(50.6,59.4) v1(50.6,54.4) v1(50.9,27.3) v1(51,15.7) v1(51,14.9) v1(51.1,67.4) v1(51.1,44.6) v1(51.2,51.8) v1(51.4,72.7) v1(51.4,62.3) v1(51.5,50.4) v1(51.5,9) v1(51.9,41.8) v1(51.9,4) v1(52.2,67.4) v1(52.2,58.7) v1(52.2,8.9) v1(52.3,13) v1(52.6,53.2) v1(52.6,42.1) v1(52.6,2.1) v1(52.7,41.2) v1(52.8,60.4) v1(52.9,62.4) v1(53.3,59.7) v1(53.3,58.6) v1(53.4,67.4) v1(53.4,65.8) v1(53.4,64.4) v1(53.4,4) v1(53.7,12.6) v1(53.8,62) v1(54.3,52.9) v1(54.7,54.4) v1(54.8,67.4) v1(54.8,65.8) v1(54.8,64.4) v1(54.9,15.2) v1(55.4,75.8) v1(55.4,62.3) v1(55.4,58.4) v1(55.4,57.5) v1(55.5,54.5) v1(55.6,69.7) v1(55.6,60.4) v1(55.8,23.3) v1(55.9,18.1) v1(55.9,17.1) v1(55.9,15.9) v1(55.9,11.8) v1(56,65.8) v1(56,64.4) v1(56,9.4) v1(56.3,53.4) v1(56.3,3.5) v1(56.4,4.3) v1(56.5,45.9) v1(56.6,62.8) v1(56.8,9.9) v1(57,8) v1(57.1,60.4) v1(57.1,41.6) v1(57.3,54.2) v1(57.3,53.4) v1(57.7,63.8) v1(57.8,61.7) v1(57.9,66.9) v1(58,9) v1(58.1,11.7) v1(58.5,43.7) v1(58.6,41.6) v1(58.8,60.4) v1(58.9,62.9) v1(58.9,39.3) v1(58.9,4.3) v1(59,68.2) v1(59,65.5) v1(59.3,15.1) v1(59.4,74.5) v1(59.5,70.3) v1(59.5,12.1) v1(59.5,8.8) v1(59.7,59.2) v1(59.7,58.4) v1(59.7,16.7) v1(59.8,49.3) v1(59.8,22.2) v1(59.9,39.9) v1(59.9,29.9) v1(59.9,27.9) v1(59.9,12.9) v1(60,61.7) v1(60.1,66.5) v1(60.4,46.9) v1(60.4,41) v1(60.6,43.7) v1(60.7,50.2) v1(60.7,37.4) v1(60.8,64.3) v1(60.9,60.3) v1(61.2,67.4) v1(61.3,60.9) v1(61.4,45.8) v1(61.4,43.3) v1(61.4,8.7) v1(61.4,4.3) v1(61.5,63) v1(61.5,29.8) v1(61.6,65.4) v1(61.8,60.3) v1(61.9,50.4) v1(62,44.4) v1(62.1,67.9) v1(62.1,46.4) v1(62.3,66) v1(62.3,64.3) v1(62.3,61.9) v1(62.6,45.7) v1(62.7,61.5) v1(62.8,44.1) v1(62.8,8.9) v1(62.9,59.5) v1(63,62.5) v1(63,49.6) v1(63.1,43) v1(63.1,29.5) v1(63.2,47.4) v1(63.3,16.3) v1(63.6,67.8) v1(63.7,70.3) v1(63.7,17) v1(63.7,6.4) v1(63.9,50.2) v1(64,63.2) v1(64.1,66) v1(64.1,46.9) v1(64.1,40.4) v1(64.1,37.8) v1(64.2,43.8) v1(64.2,42.9) v1(64.2,39.2) v1(64.4,53.8) v1(64.4,51.5) v1(64.4,4.3) v1(64.5,60.5) v1(64.5,59.5) v1(64.7,63.9) v1(64.7,17.3) v1(64.8,26.1) v1(64.9,61.7) v1(64.9,29.5) v1(64.9,27.2) v1(65,67.9) v1(65.1,44.3) v1(65.3,59) v1(65.3,41.3) v1(65.4,36.8) v1(65.5,38.8) v1(65.6,57) v1(65.7,6) v1(65.9,7) v1(66.1,54.2) v1(66.4,9.5) v1(66.5,22.4) v1(67.3,22.3) v1(67.5,59.2) v1(67.5,57) v1(67.7,23) v1(67.8,24.8) v1(67.8,23.9)
VBAT: length 40.3
  Top w0.254: v2(58.3,46.1) 57.6,46.1 56.8,46.9 52.6,46.9 52,46.3 52,43.9 50.4,42.3 43.4,42.3 41.32,40.22 ; v1(33.6,33.8) 35.7,33.8 35.8,33.9
  Bottom w0.254: U5.6 33.25,34.72 C29.2 33.2,34.2 v1(33.6,33.8) ; K1.8 67,52.3 60.8,46.1 v2(58.3,46.1) ; U5.8 34.9,39.6 v2(35.45,40.15) 35.68,40.38 R24.2
  vias: v2(36.1,40.1) v2(36.3,40.7) v2(36.6,41.2) v2(36.7,40.2)
VDDH: length 70.8
  Top w0.254: v1(67.5,31.8) 67.5,32.3 68.5,33.3 68.5,36 K1.2
  Top w0.4: D7.2 45.4,35.75 R15.2 45.28,34.6 C15.2 43.8,34.53 D3.2 43.78,33.28 R8.2 44.4,32 45.2,31.2 45.2,27.5 v2(44.8,27.1)
  In2.Cu w0.254: v1(61.3,19.6) 52.9,19.6 46.1,26.4 44,26.4
  In2.Cu w0.4: v1(30,25.3) 31.1,26.4 44.1,26.4 v2(44.8,27.1)
  Bottom w0.254: K12.33 29.75,25.05 v1(30,25.3) ; v1(67.5,31.8) 67.5,25.8 v1(61.3,19.6)
VEE: length 81.1
  Top w0.4: v1(26.6,20.4) 34.9,20.4 36.4,18.9 39,18.9 42.2,22.1 48.3,22.1 49.2,23 v1(50.8,23) ; D5.1 42.4,30.1 v1(42.9,30.6) 43.5,30.6 43.7,30.4 R10.2
  In1.Cu w0.254: v1(65.6,31.4) 65.6,36.1 K1.13 ; v1(55.6,20.3) 55.1,20.8 v1(55.1,23)
  Bottom w0.254: v1(55.6,20.3) 60.2,20.3 65.6,25.7 v1(65.6,31.4) ; K12.40 26.25,20.75 v1(26.6,20.4)
  Bottom w0.4: C14.2 42.6,30.3 43.6,31.3 D6.1 ; C14.2 42.03,27.67 43.5,26.2 46.5,26.2 49.7,23 v1(50.8,23) v1(55.1,23) ; C14.2 42.03,31.86 R13.2
  vias: v1(50.3,23)
VIN: length 153.3
  Top w0.5: C9.2 v1(50.4,31.5)
  Top w1.2: PAD3.1 67.3,21.2 v2(64.7,21.2)
  In2.Cu w0.4: v1(60.05,30.75) 60.9,29.9 60.9,25.7 58.9,23.7 56.9,23.7
  In2.Cu w0.5: v2(63.5,7.3) 63.5,12.1 66.7,15.3 66.7,19.2 v2(64.7,21.2) ; 48.9,31.7 50.2,31.7 v1(50.4,31.5)
  In2.Cu w1.2: 66.6,21.2 59.4,21.2 48.9,31.7 36.2,31.7 ; 36.2,31.7 41.5,37 47.4,37 49.4,39 v2(49.4,41.1) ; 36.2,31.7 33.9,29.4 28.5,29.4 18,18.9 v2(18,18.5) ; v2(49.4,40.5) v2(49.4,41.1) ; v2(49.4,41.1) 63.7,55.4 68.6,55.4 70,54 K1.7
  Bottom w0.254: U1.10 v1(60.05,30.75) ; v1(60.05,30.75) 60.52,30.75 C6.2 60.1,30.8 v1(60.05,30.75) ; v1(50.4,31.5) 50.9,31.5 51.65,30.75 U1.27
  Bottom w0.3: U3.4 20.58,22.82 v2(21,22.4)
  Bottom w0.5: L2.1 49.43,39.2 C10.2 v2(49.4,41.1) ; v2(63.5,7.3) 62.32,6.12 R53.2 61.03,5.95 Q12.2
  vias: v2(17.2,18.5) v2(17.4,16.6) v2(17.6,18.9) v2(18.5,18.9) v2(18.5,18) v2(19.3,17.5) v2(19.3,16.8) v2(49.4,39.9) v2(65.4,21.2) v2(66.1,21.2) v2(66.8,21.2)
VIN_BCK: length 11
  In1.Cu w0.5: v2(48.6,6.5) v2(53,6.5) v2(55.6,6.5) v2(56,6.9)
  Bottom w0.3: U12.4 51.9,7.6 v2(53,6.5)
  Bottom w0.5: v2(55.6,6.5) v2(56,6.9) Q12.3
  vias: v2(49.2,6.5)
/CTRL & COMS/BIN: length 6.3
  Bottom w0.254: U5.10 35.7,39.3 35.9,39.5 37.1,39.5 37.72,40.12 R28.1 37.72,41.85 R25.2
/CTRL & COMS/CH_RXD: length 1.9
  Bottom w0.254: U6.3 15.1,11.66 R34.1
/CTRL & COMS/CH_TXD: length 2
  Bottom w0.254: U6.2 13.8,11.68 13.8,13.33 R35.1
/CTRL & COMS/DTR: length 17.2
  In1.Cu w0.254: v1(29.4,8.2) 16.6,8.2 v1(16.4,8)
  Bottom w0.254: R29.2 28.43,8.75 Q3.2 29.6,8.4 v1(29.4,8.2) ; U6.13 16.36,7.97 v1(16.4,8)
/CTRL & COMS/RTS: length 16
  In1.Cu w0.254: v1(15.1,7.3) 24.6,7.3 v1(26.2,5.7)
  Bottom w0.254: v1(15.1,7.3) 15.09,7.29 U6.14 ; v1(26.2,5.7) 26.82,6.32 R30.2 26.78,6.85 Q2.2
/E-paper/DAC_OUT: length 8.8
  Bottom w0.3: R50.2 56,8.1 59.13,11.23 C48.2 60.43,11.2 U9.5
/MCU & GPIO Expanders/GPIO34: length 28.7
  Top w0.254: JP6.2 36.4,52.5 36.1,52.2 v1(34.7,52.2)
  In1.Cu w0.254: v1(34.7,52.2) 29,52.2 21.4,59.8 v1(17.1,59.8)
  Bottom w0.254: U14.6 13.89,57.19 16.5,59.8 v1(17.1,59.8)
/MCU & GPIO Expanders/INTB: length 11.8
  Top w0.254: v1(45.8,51.5) 43.5,53.8 v1(43,53.8) 37.4,53.8 JP6.1
  Bottom w0.254: v1(43,53.8) 43.53,53.8 ; v1(45.8,51.5) 45.65,51.35 U13.22
/POWER/INT_LDO: length 2.2
  Top w0.254: v2(60.1,32.1) 61.03,32.1
  Bottom w0.254: v2(60.1,32.1) 59.95,32.25 U1.7
/POWER/TS: length 6.3
  Top w0.254: R12.2 R11.2 v1(60.5,38.3)
  Bottom w0.254: U1.47 57.75,36.35 59.7,38.3 v1(60.5,38.3)
/POWER/VB: length 10.7
  Top w0.254: v2(55.3,36.7) 55.2,36.6 v2(52.8,36.6) 52.78,36.62 C12.2
  Bottom w0.254: v2(52.8,36.6) 52.75,36.55 U1.37 ; U1.43 55.75,37.05 55.7,37.1 55.25,36.65 U1.42
  Bottom w0.4: v2(55.3,36.7) 55.7,37.1 D2.1 57.43,38.35 C11.2
